# KiCad board panel.kicad_pcb (continued)
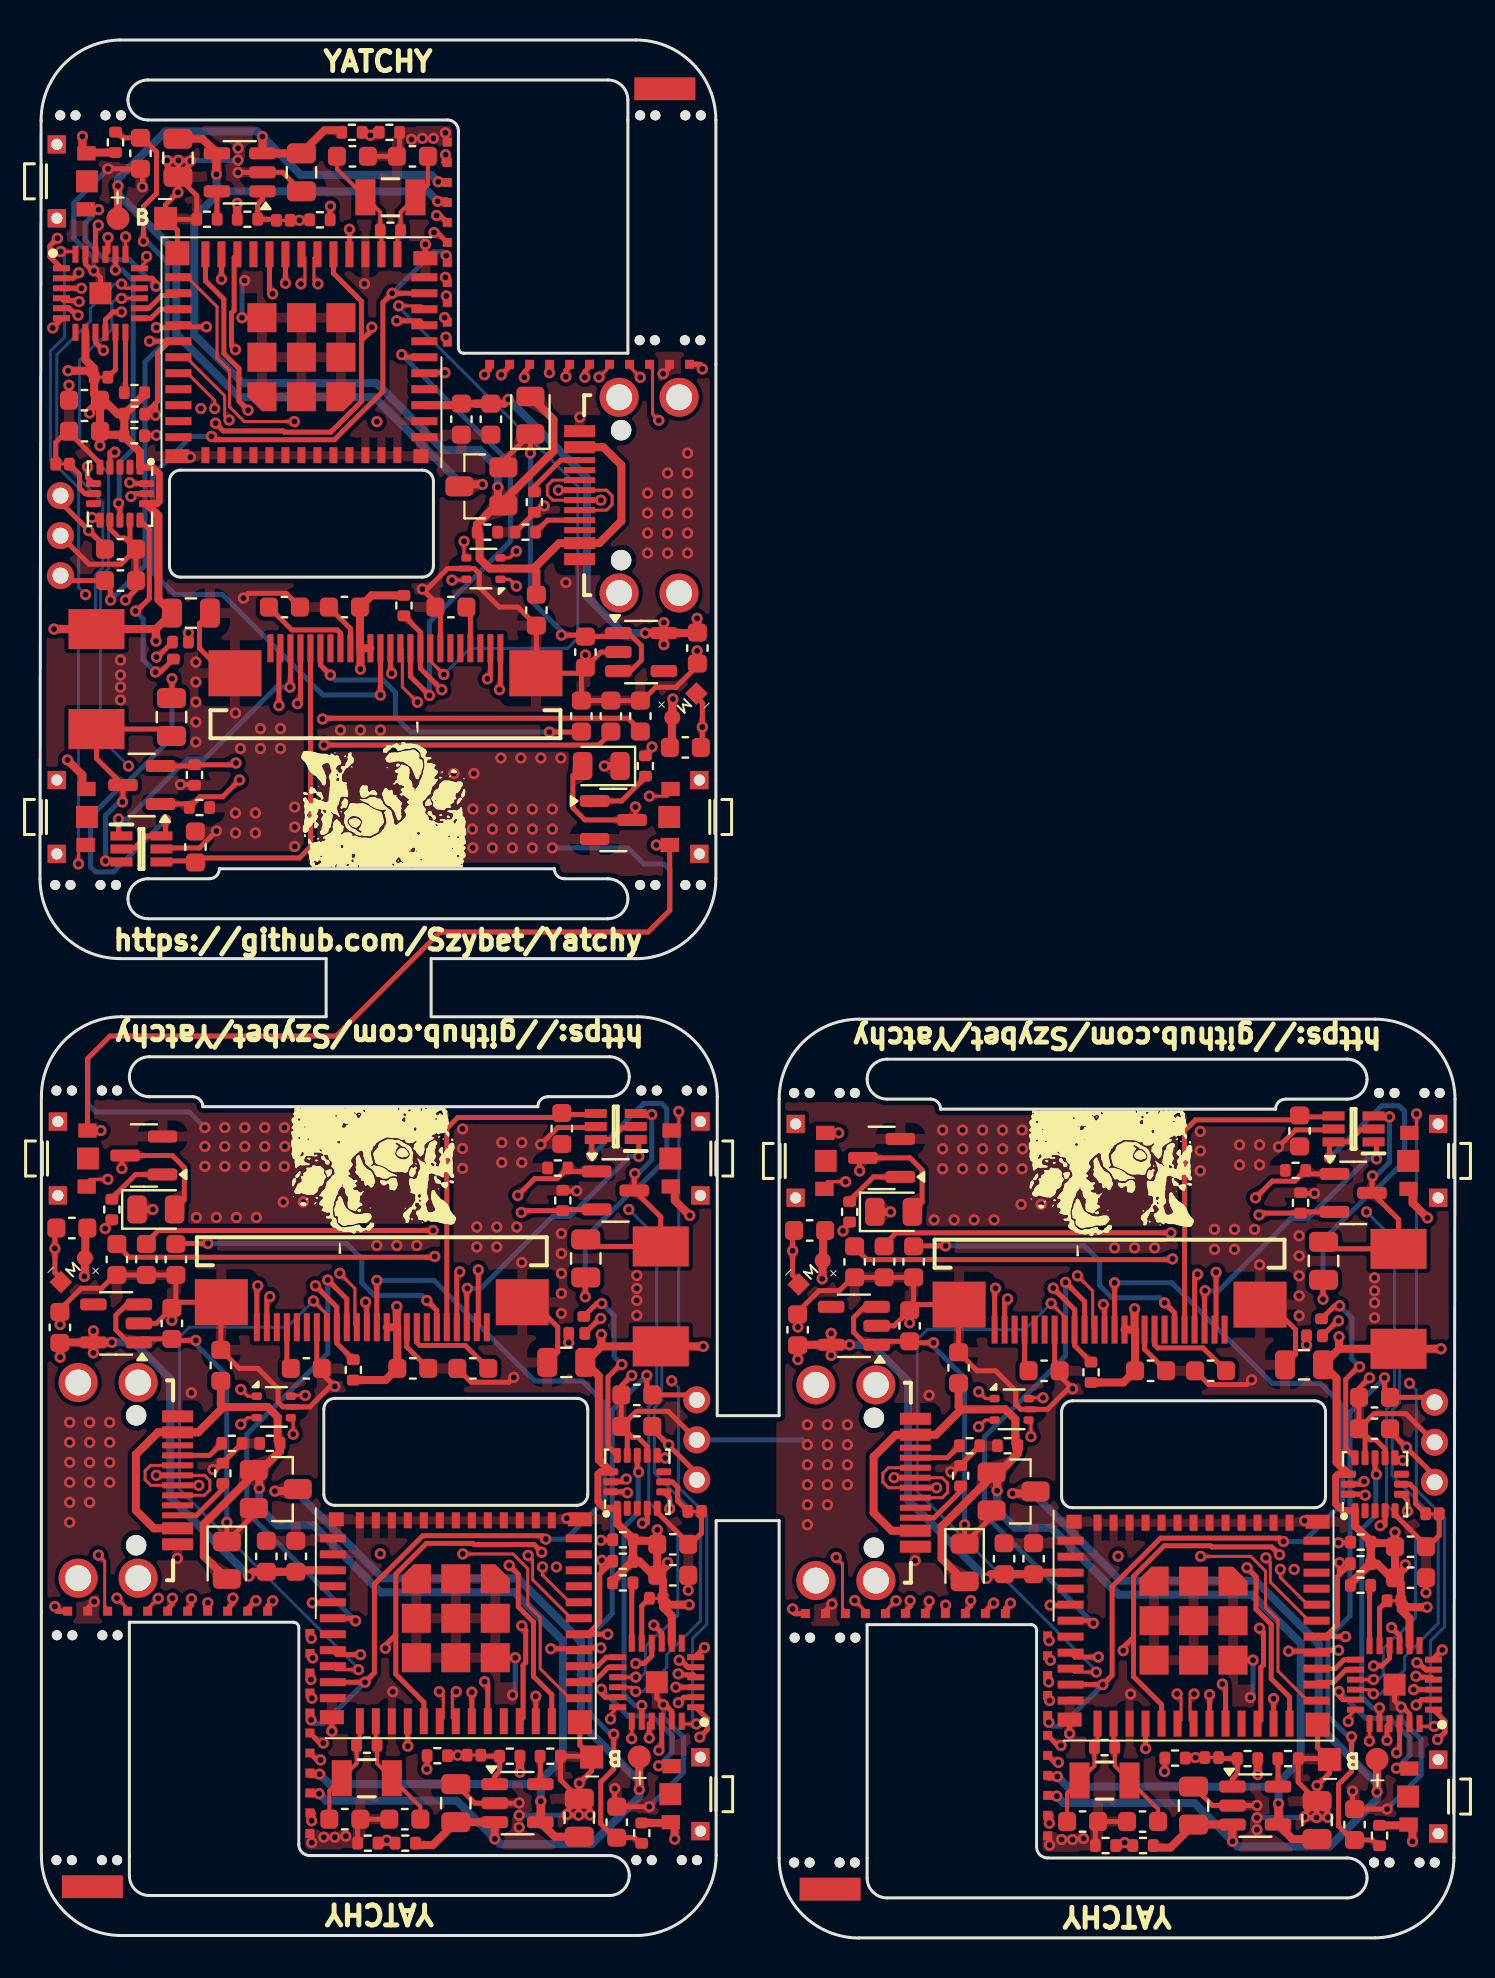
[diagram p0: board, top side]
## Library data of the parts
AC1 AC1#2 AC1#3 = -: Datasheet: http://www.st.com/content/ccc/resource/technical/document/datasheet/3c/ae/50/85/d6/b1/46/fe/CD00274221.pdf/files/CD00274221.pdf/jcr:content/translations/en.CD00274221.pdf; Description: Accelerometer 3-Axis 2g/16g 1.8V LGA16 STMicroelectronics LIS3DHTR Accelerometer IC, 3-axis, I2C, SPI 1.71  3.6 V, 16-Pin LGA; Height: 1; Manufacturer_Name: STMicroelectronics
BT1 BT1#2 BT1#3 = -: Description: Single-cell battery
C1#3 C2#2 C3#3 C4 C5#2 C6#2 C7 C8#2 C9 C10 C12#3 C13 C14#3 C18-C22 C23#3 C24#2 C25#2 C26 C29#3 C30#2 = -: ki_fp_filters: C_*
D4#3 = -: ki_fp_filters: TO-???* *_Diode_* *SingleDiode* D_*
D5 D5#2 D5#3 = -: Datasheet: https://www.diodes.com/assets/Datasheets/BAT54TW_ADW_CDW_SDW_BRW.pdf; Description: Diodes Inc BAT54TW-7-F, Triple SMT Schottky Diode, Isolated, 30V 200mA, 5ns, 6-Pin SOT-363; Height: 1.1; Manufacturer_Name: Diodes Incorporated
D6 D6#2 = -: Datasheet: http://www.vishay.com/docs/88503/1n4001.pdf
D6#3 = -: Datasheet: http://www.vishay.com/docs/88503/1n4001.pdf; ki_fp_filters: D*DO?41*
IC2 IC2#2 IC2#3 = -: Datasheet: https://ms.componentsearchengine.com/Datasheets/2/MCP23018-E_MJ.pdf; Description: MICROCHIP - MCP23018-E/MJ - I/O Expander, 16bit, 3.4 MHz, I2C, 1.8 V, 5.5 V, QFN; Height: 0.9; Manufacturer_Name: Microchip; Manufacturer_Part_Number: MCP23018-E/MJ
IC3 IC3#2 IC3#3 = -: Datasheet: https://datasheet.datasheetarchive.com/originals/distributors/Datasheets-DGA15/727147.pdf; Description: Microchip MCP73831T-2ATI/OT, Battery Charge Controller Lithium-Ion/Polymer, 500mA, 5-pin SOT-23; Height: 1.45; Manufacturer_Name: Microchip; Manufacturer_Part_Number: MCP73831T-2ATI/OT
J1 J1#3 J2#2 J2#3 J6 J6#3 J7 J7#3 J8 J8#3 J9 J9#2 J10 J10#2 J11 J11#3 J12 J12#3 J13 J13#2 J14 J14#2 J15 J15#2 J16 J16#2 J17 J17#3 J18 J18#2 J19 J19#3 J20#2 J20#3 J21 J21#3 J22#2 J22#3 J23#2 J23#3 J24 J24#3 J25 J25#3 = -: Description: Generic connector, single row, 01x01, script generated
J1#2 J2 J6#2 J7#2 J8#2 J9#3 J10#3 J11#2 J12#2 J13#3 J14#3 J15#3 J16#3 J17#2 J18#3 J19#2 J20 J21#2 J22 J23 J24#2 J25#2 = -: Description: Generic connector, single row, 01x01, script generated; ki_fp_filters: Connector*:*_1x??_*
J4 J4#2 J4#3 = -: Datasheet: https://www.gct.co/files/drawings/USB4730.pdf; Description: USB Connectors USB2.0 TypeC Recpt. Kit, w/GASKET GF, 16P Horz T.Mt. SMT, IP67; Height: 4.81; Mouser Part Number: 640-USB4730GFAKIT; Mouser Price/Stock: https://www.mouser.co.uk/ProductDetail/GCT/USB4730-GF-A-KIT?qs=Z%252BL2brAPG1IoU%252BBwnQ%2FE8Q%3D%3D; Manufacturer_Name: GCT (GLOBAL CONNECTOR TECHNOLOGY)
J5 J5#2 J5#3 = -: Datasheet: https://cdn.amphenol-cs.com/media/wysiwyg/files/drawing/10116954.pdf; Description: 24 Position FPC Connector Contacts, Top 0.020" (0.50mm) Surface Mount, Right Angle  Click Image to Enlarge Skip to the beginning of the images gallery OVERVIEW DESCRIPTION 0.50mm Flex Connector, SFV-R Series, 24 Position, Top Side Contact, Side Entry Surface Mount ZIF Connector, Halogen Free, Lead Free with Cable-Lock, Gold Flash; Height: 2; Manufacturer_Name: Amphenol
J26 = -: Description: Generic connector, single row, 01x03, script generated; ki_fp_filters: Connector*:*_1x??_*
J26#2 J26#3 = -: Description: Generic connector, single row, 01x03, script generated
JP2 JP3#3 JP4#3 = -: Description: Solder Jumper, 2-pole, closed/bridged; ki_fp_filters: SolderJumper*Bridged*
JP2#2 JP2#3 JP3 JP3#2 JP4 JP4#2 = -: Description: Solder Jumper, 2-pole, closed/bridged
L1 = -: ki_fp_filters: Choke_* *Coil* Inductor_* L_*
M1#2 = -: ki_fp_filters: PinHeader*P2.54mm* TerminalBlock*
Q1 = -: Datasheet: http://www.diodes.com/assets/Datasheets/DMN3042L.pdf; ki_fp_filters: SOT?23*
Q1#2 Q1#3 = -: Datasheet: http://www.diodes.com/assets/Datasheets/DMN3042L.pdf
Q4#2 = -: ki_fp_filters: SOT?23*
R1 R2#3 R4#2 R5#2 R6#2 R7#3 R8#2 R9 R11 R12#3 R14#3 R15 R16 R17#3 R18#3 R20#3 R21#2 = -: ki_fp_filters: R_*
SW1#3 SW2#2 SW3#2 = -: ki_fp_filters: SW_EVP-AKE31A_PAN
TP1 TP1#2 TP2 TP2#3 TP3 TP3#3 = -: Description: test point
TP1#3 TP2#2 TP3#2 = -: Description: test point; ki_fp_filters: Pin* Test*
U1 = -: Datasheet: https://www.st.com/resource/en/datasheet/usblc6-2.pdf; Description: Very low capacitance ESD protection diode, 2 data-line, SOT-666; ki_fp_filters: SOT?666*
U1#2 U1#3 = -: Datasheet: https://www.st.com/resource/en/datasheet/usblc6-2.pdf; Description: Very low capacitance ESD protection diode, 2 data-line, SOT-666
U2 U2#2 = -: Datasheet: http://www.ti.com/lit/ds/symlink/tlv755p.pdf; Description: 500mA Low Dropout Voltage Regulator, Fixed Output 3.3V, SOT-23-5; Height: 1.45; Manufacturer_Name: Microchip; Manufacturer_Part_Number: MCP73831T-2ATI/OT
U2#3 = -: Datasheet: http://www.ti.com/lit/ds/symlink/tlv755p.pdf; Description: 500mA Low Dropout Voltage Regulator, Fixed Output 3.3V, SOT-23-5; Height: 1.45; Manufacturer_Name: Microchip; Manufacturer_Part_Number: MCP73831T-2ATI/OT; ki_fp_filters: SOT?23*
U3 U3#2 U3#3 = -: PARTREV: 1.0; STANDARD: Manufacturer recommendations; MAXIMUM_PACKAGE_HEIGHT: 2.55 mm; MANUFACTURER: Espressif Systems
Y2 = -: Description: Two pin crystal; ki_fp_filters: Crystal*
Y2#2 Y2#3 = -: Description: Two pin crystal

## Footprints (pads in the part's own frame, mm; a bottom-side part is the same pattern mirrored in y, then rotated)
Battery_Header
  oval 1.15x1.15 smd: 1(-1.05,0.067)
  rect 1.15x1.15 smd: 2(1.333,0.067)
C_0603_1608Metric
  rrect 0.9x0.95 smd: 1(-0.775,0) 2(0.775,0)
C_0805_2012Metric
  rrect 1x1.45 smd: 1(-0.95,0) 2(0.95,0)
D_0805_2012Metric
  rrect 0.975x1.4 smd: 1(-0.938,0) 2(0.938,0)
HPI0530-100
  rect 2x2.8 smd: 1(2.5,0.25) 2(-2.5,0.25)
LGA-16_3x3mm_P0.5mm_LayoutBorder3x5y_handsolder
  rrect 0.75x0.35 smd: 1(-1.325,1) 2(-1.325,0.5) 3(-1.325,0) 4(-1.325,-0.5) 5(-1.325,-1) 9(1.325,-1) 10(1.325,-0.5) 11(1.325,0) 12(1.325,0.5) 13(1.325,1)
  rrect 0.35x0.75 smd: 6(-0.5,-1.325) 7(0,-1.325) 8(0.5,-1.325) 14(0.5,1.325) 15(0,1.325) 16(-0.5,1.325)
mod_Connector
  rect 0.45x0.45 smd: 1(0,-0.01)
Motor_Header
  oval 0.8x0.8 smd: 1(0,0)
  rect 0.8x0.8 smd: 2(0,-1.7)
mouse-bite-3mm-slot
  round 0.5 hole 0.5 unplated: (-1.512,0) (-0.75,0) (0.75,0) (1.524,0)
PinHeader_1x03_P2.00mm_Horizontal_Small
  round 1.35 hole 0.8: 1(0,0)
  oval 1.35x1.35 hole 0.8: 2(0,-2) 3(0,-4)
QFN50P400X400X90-25N-D
  rect 0.85x0.3 smd: 1(-1.95,1.25) 2(-1.95,0.75) 3(-1.95,0.25) 4(-1.95,-0.25) 5(-1.95,-0.75) 6(-1.95,-1.25) 13(1.95,-1.25) 14(1.95,-0.75) 15(1.95,-0.25) 16(1.95,0.25) 17(1.95,0.75) 18(1.95,1.25)
  rect 0.3x0.85 smd: 7(-1.25,-1.95) 8(-0.75,-1.95) 9(-0.25,-1.95) 10(0.25,-1.95) 11(0.75,-1.95) 12(1.25,-1.95) 19(1.25,1.95) 20(0.75,1.95) 21(0.25,1.95) 22(-0.25,1.95) 23(-0.75,1.95) 24(-1.25,1.95)
  rect 1.1x1.1 smd: 25(0,0)
R_0402_1005Metric
  rrect 0.54x0.64 smd: 1(-0.51,0) 2(0.51,0)
SFV24R4STBE1HLF
  rect 0.3x1.4 smd: 1(-5.75,2.25) 2(-5.25,2.25) 3(-4.75,2.25) 4(-4.25,2.25) 5(-3.75,2.25) 6(-3.25,2.25) 7(-2.75,2.25) 8(-2.25,2.25) 9(-1.75,2.25) 10(-1.25,2.25) 11(-0.75,2.25) 12(-0.25,2.25) 13(0.25,2.25) 14(0.75,2.25) 15(1.25,2.25) 16(1.75,2.25) 17(2.25,2.25) 18(2.75,2.25) 19(3.25,2.25) 20(3.75,2.25) 21(4.25,2.25) 22(4.75,2.25) 23(5.25,2.25) 24(5.75,2.25)
  rect 2.65x2.3 smd: MP1(-7.525,1) MP2(7.525,1)
SolderJumper_Bridged_Small
  rrect 0.54x0.64 smd: 1(-0.535,0) 2(0.15,0)
SOT65P222X110-6N
  rect 1.1x0.45 smd: 1(-1,0.65) 2(-1,0) 3(-1,-0.65) 4(1,-0.65) 5(1,0) 6(1,0.65)
SOT-23
  rrect 1.475x0.6 smd: 1(-0.938,0.95) 2(-0.938,-0.95) 3(0.938,0)
SOT-23-5
  rrect 1.325x0.6 smd: 1(-1.137,0.95) 2(-1.137,0) 3(-1.137,-0.95) 4(1.137,-0.95) 5(1.137,0.95)
SOT-666
  rrect 0.5x0.375 smd: 1(-0.85,0.537) 3(-0.85,-0.537) 4(0.85,-0.537) 6(0.85,0.537)
  rrect 0.65x0.3 smd: 2(-0.925,0) 5(0.925,0)
SuperSOT-3
  rrect 1.4x1 smd: 1(-1.1,0.95) 2(-1.1,-0.95) 3(1.1,0)
SW_EVP-AKE31A_PAN
  rect 0.711x0.918 smd: 1(-1.4,-1.059) 2(1.4,-1.1)
  rect 0.914x0.914 hole 0.559: 3(-1.848,0.381) 4(1.848,0.381)
  rect 1.1x1.092 smd: 5(0,-1.124)
testpoint
  rrect 0.54x0.64 smd: 1(0,0)
USB4730GFAKIT
  round 1.02 hole 1.02 unplated: (-3.25,1.963) (3.25,1.963)
  rect 0.6x1.55 smd: A1(-3.2,4.037) A4(-2.4,4.037) A9(2.4,4.037) A12(3.2,4.037)
  rect 0.3x1.55 smd: A5(-1.25,4.037) A6(-0.25,4.037) A7(0.25,4.037) A8(1.25,4.037) B5(1.75,4.037) B6(0.75,4.037) B7(-0.75,4.037) B8(-1.75,4.037)
  round 1.95 hole 1.3: MH1(-4.895,2.063) MH2(-4.895,-0.937) MH3(4.895,-0.937) MH4(4.895,2.063)
XCVR_ESP32-C6-MINI-1-N4
  rect 1.3x0.4 smd: 1(-6.15,4) 2(-6.15,3.2) 3(-6.15,2.4) 4(-6.15,1.6) 5(-6.15,0.8) 6(-6.15,0) 7(-6.15,-0.8) 8(-6.15,-1.6) 9(-6.15,-2.4) 10(-6.15,-3.2) 11(-6.15,-4) 25(6.15,-4) 26(6.15,-3.2) 27(6.15,-2.4) 28(6.15,-1.6) 29(6.15,-0.8) 30(6.15,0) 31(6.15,0.8) 32(6.15,1.6) 33(6.15,2.4) 34(6.15,3.2) 35(6.15,4)
  rect 0.4x1.3 smd: 12(-4.8,-5.15) 13(-4,-5.15) 14(-3.2,-5.15) 15(-2.4,-5.15) 16(-1.6,-5.15) 17(-0.8,-5.15) 18(0,-5.15) 19(0.8,-5.15) 20(1.6,-5.15) 21(2.4,-5.15) 22(3.2,-5.15) 23(4,-5.15) 24(4.8,-5.15)
  rect 0.4x0.8 smd: 36(4.8,4.9) 37(4,4.9) 38(3.2,4.9) 39(2.4,4.9) 40(1.6,4.9) 41(0.8,4.9) 42(0,4.9) 43(-0.8,4.9) 44(-1.6,4.9) 45(-2.4,4.9) 46(-3.2,4.9) 47(-4,4.9) 48(-4.8,4.9)
  custom 1.46x1.46 smd: 49_1(-1.975,1.975)
  rect 1.45x1.45 smd: 49_2(0,1.975) 49_4(-1.975,0) 49_5(0,0) 49_6(1.975,0) 49_7(-1.975,-1.975) 49_8(0,-1.975) 49_9(1.975,-1.975)
  rrect 1.45x1.45 smd: 49_3(1.975,1.975)
  rect 1.2x0.7 smd: 50(6.2,4.95) 52(-6.2,-4.95)
  rect 1.207x1.201 smd: 51(6.203,-5.2)
  rect 0.75x0.7 smd: 53(-5.975,4.95)
XTAL_9HT10_TXC
  rect 1.003x1.803 smd: 1(-1.251,0) 2(1.251,0)

## Nets
+3V3: AC1.1 AC1.14 AC1#2.1 AC1#2.14 AC1#3.1 AC1#3.14 C4.1 C4#2.1 C4#3.1 C7.2 C7#2.2 C7#3.2 C12.1 C12#2.1 C12#3.1 C14.1 C14#2.1 C14#3.1 C23.1 C23#2.1 C23#3.1 C24.1 C24#2.1 C24#3.1 C29.2 C29#2.2 C29#3.2 C30.2 C30#2.2 C30#3.2 D6.1 D6#2.1 D6#3.1 IC2.8 IC2#2.8 IC2#3.8 J5.10 J5.11 J5#2.10 J5#2.11 J5#3.10 J5#3.11 J7.1 J7#2.1 J7#3.1 JP3.2 JP3#2.2 JP3#3.2 L1.2 L1#2.2 L1#3.2 M1.1 M1#2.1 M1#3.1 R1.1 R1#2.1 R1#3.1 R2.1 R2#2.1 R2#3.1 R7.1 R7#2.1 R7#3.1 R12.1 R12#2.1 R12#3.1 R16.1 R16#2.1 R16#3.1 R20.1 R20#2.1 R20#3.1 SW1.2 SW1#2.2 SW1#3.2 SW2.2 SW2#2.2 SW2#3.2 SW3.2 SW3#2.2 SW3#3.2 U2.5 U2#2.5 U2#3.5 U3.3 U3#2.3 U3#3.3
GND: AC1.5 AC1.10 AC1.12 AC1#2.5 AC1#2.10 AC1#2.12 AC1#3.5 AC1#3.10 AC1#3.12 BT1.2 BT1#2.2 BT1#3.2 C1.2 C1#2.2 C1#3.2 C2.2 C2#2.2 C2#3.2 C4.2 C4#2.2 C4#3.2 C5.2 C5#2.2 C5#3.2 C6.2 C6#2.2 C6#3.2 C7.1 C7#2.1 C7#3.1 C8.2 C8#2.2 C8#3.2 C9.2 C9#2.2 C9#3.2 C10.2 C10#2.2 C10#3.2 C12.2 C12#2.2 C12#3.2 C13.2 C13#2.2 C13#3.2 C18.1 C18#2.1 C18#3.1 C19.2 C19#2.2 C19#3.2 C20.2 C20#2.2 C20#3.2 C21.2 C21#2.2 C21#3.2 C22.2 C22#2.2 C22#3.2 C23.2 C23#2.2 C23#3.2 C24.2 C24#2.2 C24#3.2 C25.2 C25#2.2 C25#3.2 C26.1 C26#2.1 C26#3.1 C29.1 C29#2.1 C29#3.1 C30.1 C30#2.1 C30#3.1 D5.5 D5#2.5 D5#3.5 IC2.23 IC2.25 IC2#2.23 IC2#2.25 IC2#3.23 IC2#3.25 IC3.2 IC3#2.2 IC3#3.2 J1.1 J1#2.1 J1#3.1 J2.1 J2#2.1 J2#3.1 J4.A1 J4.A12 J4#2.A1 J4#2.A12 J4#3.A1 J4#3.A12 J5.9 J5.18 J5.MP1 J5.MP2 J5#2.9 J5#2.18 J5#2.MP1 J5#2.MP2 J5#3.9 J5#3.18 J5#3.MP1 J5#3.MP2 J26.2 J26#2.2 J26#3.2 JP4.2 JP4#2.2 JP4#3.2 Q5.2 Q5#2.2 Q5#3.2 R4.2 R4#2.2 R4#3.2 R5.2 R5#2.2 R5#3.2 R8.2 R8#2.2 R8#3.2 R9.1 R9#2.1 R9#3.1 R14.2 R14#2.2 R14#3.2 R15.1 R15#2.1 R15#3.1 R18.2 R18#2.2 R18#3.2 U1.5 U1#2.5 U1#3.5 U2.2 U2#2.2 U2#3.2 U3.1 U3.2 U3.11 U3.14 U3.36 U3.37 U3.38 U3.39 U3.40 U3.41 U3.42 U3.43 U3.44 U3.45 U3.46 U3.47 U3.48 U3.49_1 U3.49_2 U3.49_3 U3.49_4 U3.49_5 U3.49_6 U3.49_7 U3.49_8 U3.49_9 U3.50 U3.51 U3.52 U3.53 U3#2.1 U3#2.2 U3#2.11 U3#2.14 U3#2.36 U3#2.37 U3#2.38 U3#2.39 U3#2.40 U3#2.41 U3#2.42 U3#2.43 U3#2.44 U3#2.45 U3#2.46 U3#2.47 U3#2.48 U3#2.49_1 U3#2.49_2 U3#2.49_3 U3#2.49_4 U3#2.49_5 U3#2.49_6 U3#2.49_7 U3#2.49_8 U3#2.49_9 U3#2.50 U3#2.51 U3#2.52 U3#2.53 U3#3.1 U3#3.2 U3#3.11 U3#3.14 U3#3.36 U3#3.37 U3#3.38 U3#3.39 U3#3.40 U3#3.41 U3#3.42 U3#3.43 U3#3.44 U3#3.45 U3#3.46 U3#3.47 U3#3.48 U3#3.49_1 U3#3.49_2 U3#3.49_3 U3#3.49_4 U3#3.49_5 U3#3.49_6 U3#3.49_7 U3#3.49_8 U3#3.49_9 U3#3.50 U3#3.51 U3#3.52 U3#3.53
VBUS: C21.1 C21#2.1 C21#3.1 C25.1 C25#2.1 C25#3.1 D4.2 D4#2.2 D4#3.2 IC3.4 IC3#2.4 IC3#3.4 J4.A4 J4.A9 J4#2.A4 J4#2.A9 J4#3.A4 J4#3.A9 J8.1 J8#2.1 J8#3.1 Q4.1 Q4#2.1 Q4#3.1 R14.1 R14#2.1 R14#3.1 U1.2 U1#2.2 U1#3.2
+BATT: BT1.1 BT1#2.1 BT1#3.1 C26.2 C26#2.2 C26#3.2 IC3.3 IC3#2.3 IC3#3.3 J6.1 J6#2.1 J6#3.1 Q4.3 Q4#2.3 Q4#3.3 R11.1 R11#2.1 R11#3.1
ACC_INT_1: AC1.11 AC1#2.11 AC1#3.11 IC2.20 IC2#2.20 IC2#3.20
ACC_INT_2: AC1.9 AC1#2.9 AC1#3.9 IC2.19 IC2#2.19 IC2#3.19
ADC: R11.2 R11#2.2 R11#3.2 R18.1 R18#2.1 R18#3.1 U3.15 U3#2.15 U3#3.15
BTN_1: IC2.15 IC2#2.15 IC2#3.15 SW1.1 SW1#2.1 SW1#3.1
BTN_2: IC2.16 IC2#2.16 IC2#3.16 SW2.1 SW2#2.1 SW2#3.1
BTN_3: IC2.17 IC2#2.17 IC2#3.17 SW3.1 SW3#2.1 SW3#3.1
BTN_4: IC2.18 IC2#2.18 IC2#3.18 J25.1 J25#2.1 J25#3.1
BUSY: J5.17 J5#2.17 J5#3.17 U3.9 U3#2.9 U3#3.9
CLOCK_N: C19.1 C19#2.1 C19#3.1 R21.1 R21#2.1 R21#3.1 U3.13 U3#2.13 U3#3.13 Y2.1 Y2#2.1 Y2#3.1
CLOCK_P: C20.1 C20#2.1 C20#3.1 R21.2 R21#2.2 R21#3.2 U3.12 U3#2.12 U3#3.12 Y2.2 Y2#2.2 Y2#3.2
CS: IC2.24 IC2#2.24 IC2#3.24 J5.14 J5#2.14 J5#3.14
DC: J5.15 J5#2.15 J5#3.15 U3.6 U3#2.6 U3#3.6
DN: U1.4 U1#2.4 U1#3.4 U3.17 U3#2.17 U3#3.17
DP: U1.6 U1#2.6 U1#3.6 U3.18 U3#2.18 U3#3.18
EN: C13.1 C13#2.1 C13#3.1 C18.2 C18#2.2 C18#3.2 J26.1 J26#2.1 J26#3.1 R7.2 R7#2.2 R7#3.2 U3.8 U3#2.8 U3#3.8
GDR: J5.24 J5#2.24 J5#3.24 Q1.1 Q1#2.1 Q1#3.1 R8.1 R8#2.1 R8#3.1
GPIO9: C1.1 C1#2.1 C1#3.1 J26.3 J26#2.3 J26#3.3 U3.23 U3#2.23 U3#3.23
INT_A: IC2.14 IC2#2.14 IC2#3.14 U3.26 U3#2.26 U3#3.26
INT_B: IC2.13 IC2#2.13 IC2#3.13 U3.27 U3#2.27 U3#3.27
MOD_CS: IC2.1 IC2#2.1 IC2#3.1 J11.1 J11#2.1 J11#3.1
MOD_ExB2: IC2.2 IC2#2.2 IC2#3.2 J20.1 J20#2.1 J20#3.1
MOD_ExB3: IC2.3 IC2#2.3 IC2#3.3 J21.1 J21#2.1 J21#3.1
MOD_ExB4: IC2.4 IC2#2.4 IC2#3.4 J22.1 J22#2.1 J22#3.1
MOD_ExB5: IC2.5 IC2#2.5 IC2#3.5 J23.1 J23#2.1 J23#3.1
MOD_ExB6: IC2.6 IC2#2.6 IC2#3.6 J24.1 J24#2.1 J24#3.1
MOD_IO15: J17.1 J17#2.1 J17#3.1 U3.20 U3#2.20 U3#3.20
MOD_IO18: J16.1 J16#2.1 J16#3.1 U3.24 U3#2.24 U3#3.24
MOD_IO19: J15.1 J15#2.1 J15#3.1 U3.25 U3#2.25 U3#3.25
MOD_MISO: J14.1 J14#2.1 J14#3.1 U3.22 U3#2.22 U3#3.22
MOD_RX: J18.1 J18#2.1 J18#3.1 U3.30 U3#2.30 U3#3.30
MOD_TX: J19.1 J19#2.1 J19#3.1 U3.31 U3#2.31 U3#3.31
MOSI: J5.12 J5#2.12 J5#3.12 J13.1 J13#2.1 J13#3.1 U3.10 U3#2.10 U3#3.10
PREVGH: C5.1 C5#2.1 C5#3.1 D5.4 D5#2.4 D5#3.4 J5.5 J5#2.5 J5#3.5
PREVGL: D5.1 D5#2.1 D5#3.1 J5.3 J5#2.3 J5#3.3
RES: J5.16 J5#2.16 J5#3.16 R20.2 R20#2.2 R20#3.2 U3.5 U3#2.5 U3#3.5
RESE: J5.23 J5#2.23 J5#3.23 Q1.2 Q1#2.2 Q1#3.2 R9.2 R9#2.2 R9#3.2
SCK: J5.13 J5#2.13 J5#3.13 J12.1 J12#2.1 J12#3.1 U3.16 U3#2.16 U3#3.16
SCL: AC1.4 AC1#2.4 AC1#3.4 IC2.9 IC2#2.9 IC2#3.9 J9.1 J9#2.1 J9#3.1 R1.2 R1#2.2 R1#3.2 U3.29 U3#2.29 U3#3.29
SDA: AC1.6 AC1#2.6 AC1#3.6 IC2.10 IC2#2.10 IC2#3.10 J10.1 J10#2.1 J10#3.1 R2.2 R2#2.2 R2#3.2 U3.28 U3#2.28 U3#3.28
STAT_IN: IC2.21 IC2#2.21 IC2#3.21 JP2.2 JP2#2.2 JP2#3.2 R6.1 R6#2.1 R6#3.1
STAT_OUT: IC2.22 IC2#2.22 IC2#3.22 R6.2 R6#2.2 R6#3.2
UP_ DN: J4.A7 J4.B7 J4#2.A7 J4#2.B7 J4#3.A7 J4#3.B7 U1.3 U1#2.3 U1#3.3
UP_ DP: J4.A6 J4.B6 J4#2.A6 J4#2.B6 J4#3.A6 J4#3.B6 U1.1 U1#2.1 U1#3.1
VIB_PWM: R17.2 R17#2.2 R17#3.2 U3.19 U3#2.19 U3#3.19
Net-(AC1-ADC1): AC1.16 AC1#2.16 AC1#3.16 TP1.1 TP1#2.1 TP1#3.1
Net-(AC1-ADC2): AC1.15 AC1#2.15 AC1#3.15 TP2.1 TP2#2.1 TP2#3.1
Net-(AC1-ADC3): AC1.13 AC1#2.13 AC1#3.13 TP3.1 TP3#2.1 TP3#3.1
Net-(AC1-SDO/SA0): AC1.7 AC1#2.7 AC1#3.7 JP4.1 JP4#2.1 JP4#3.1
Net-(C2-Pad1): C2.1 C2#2.1 C2#3.1 J5.21 J5#2.21 J5#3.21
Net-(C6-Pad1): C6.1 C6#2.1 C6#3.1 J5.8 J5#2.8 J5#3.8
Net-(C8-Pad1): C8.1 C8#2.1 C8#3.1 J5.6 J5#2.6 J5#3.6
Net-(C9-Pad1): C9.1 C9#2.1 C9#3.1 J5.4 J5#2.4 J5#3.4
Net-(C10-Pad1): C10.1 C10#2.1 C10#3.1 J5.2 J5#2.2 J5#3.2
Net-(D4-K): C22.1 C22#2.1 C22#3.1 D4.1 D4#2.1 D4#3.1 Q4.2 Q4#2.2 Q4#3.2 U2.1 U2.3 U2#2.1 U2#2.3 U2#3.1 U2#3.3
Net-(D5-A2): C3.1 C3#2.1 C3#3.1 D5.2 D5.6 D5#2.2 D5#2.6 D5#3.2 D5#3.6
Net-(D5-A3): C3.2 C3#2.2 C3#3.2 D5.3 D5#2.3 D5#3.3 L1.1 L1#2.1 L1#3.1 Q1.3 Q1#2.3 Q1#3.3
Net-(D6-A): C14.2 C14#2.2 C14#3.2 D6.2 D6#2.2 D6#3.2 M1.2 M1#2.2 M1#3.2 Q5.3 Q5#2.3 Q5#3.3
Net-(IC2-ADDR): IC2.11 IC2#2.11 IC2#3.11 JP3.1 JP3#2.1 JP3#3.1
Net-(IC2-~{RESET}): IC2.12 IC2#2.12 IC2#3.12 R12.2 R12#2.2 R12#3.2
Net-(IC3-PROG): IC3.5 IC3#2.5 IC3#3.5 R15.2 R15#2.2 R15#3.2
Net-(IC3-STAT): IC3.1 IC3#2.1 IC3#3.1 JP2.1 JP2#2.1 JP2#3.1 R16.2 R16#2.2 R16#3.2
Net-(J4-CC1): J4.A5 J4#2.A5 J4#3.A5 R5.1 R5#2.1 R5#3.1
Net-(J4-CC2): J4.B5 J4#2.B5 J4#3.B5 R4.1 R4#2.1 R4#3.1
Net-(Q5-B): Q5.1 Q5#2.1 Q5#3.1 R17.1 R17#2.1 R17#3.1

Pads without a net: AC1 2 3 8; AC1#2 2 3 8; AC1#3 2 3 8; IC2 7; IC2#2 7; IC2#3 7; J4 A8 B8 MH1 MH2 MH3 MH4; J4#2 A8 B8 MH1 MH2 MH3 MH4; J4#3 A8 B8 MH1 MH2 MH3 MH4; J5 1 7 19 20 22; J5#2 1 7 19 20 22; J5#3 1 7 19 20 22; SW1 3 4 5; SW1#2 3 4 5; SW1#3 3 4 5; SW2 3 4 5; SW2#2 3 4 5; SW2#3 3 4 5; SW3 3 4 5; SW3#2 3 4 5; SW3#3 3 4 5; U2 4; U2#2 4; U2#3 4; U3 4 7 21 32 33 34 35; U3#2 4 7 21 32 33 34 35; U3#3 4 7 21 32 33 34 35

## Via types
v1: diameter 0.56, hole 0.3, Top to Bottom, 693 vias

## Routing (per net, layer and track width the routed paths; a pad name or vN(x,y) marks a point on that pad's centre or on a via; arc(x,y) is an arc through that point)
+3V3: length 392.4
  Top w0.25: SW1#2.2 2.38,43.99 3.51,45.12 14.81,45.12 20.01,50.32 30.41,50.32 31.49,51.41 SW1#3.2
  Top w0.35: AC1.14 64.92,23.2 64.8,23.09 64.8,21.72 65.14,21.38 AC1.1 ; AC1#3.1 28.24,21.5 27.9,21.84 27.9,23.21 28.02,23.32 AC1#3.14 ; AC1#2.14 5.85,71.75 5.96,71.87 5.96,73.24 5.62,73.58 AC1#2.1
  Top w0.4: v1(69.39,36.03) 68.64,36.77 68.64,37.48 ; C29#2.2 31.38,18.66 v1(31.38,18.79) ; C29#2.2 30.67,18.15 29.97,18.85 R1#3.1 ; C29#2.2 31.16,17.86 JP3.2 ; C29#2.2 30.87,19.6 ; IC2#2.8 2.27,78.95 2.71,78.52 JP3#3.2 ; U3.3 49.77,18.28 C24.1 48.94,18.2 ; 2.27,35.55 2.27,34.22 2.25,34.2 2.25,33.12 v1(2.22,33.1) ; C29#3.2 2.48,76.41 v1(2.48,76.29) ; C29#3.2 2.71,77.22 JP3#3.2 ; C29#3.2 3,75.48 ; C29#3.2 3.19,76.93 3.89,76.23 R1.1 ; v1(10.44,18.11) 10.66,18.32 12.04,18.32 ; U2.5 v1(3.59,29.8) ; U2.5 1.19,29.8 1.01,29.98 v1(1.01,29.06) ; U2.5 v1(2.67,29.27) ; U2.5 v1(2.67,30.37) ; JP3.2 31.48,16.67 v1(32.47,16.67) ; JP3.2 31.16,16.56 31.59,16.12 IC2.8 ; R20#2.1 17.28,27.91 C7#2.2 17.87,30.53 J5#2.10 ; 29.65,19.88 29.65,19.95 28.87,20.74 AC1#3.1 ; 29.65,19.88 R1#3.1 ; 29.65,19.88 30.59,19.88 30.87,19.6 ; 20.27,88.83 20.28,88.84 v1(20.28,89.21) ; J5#2.10 v1(17.84,31.6) ; J5#2.10 J5#2.11 ; 4.21,75.2 4.21,75.12 5,74.34 AC1#2.1 ; 4.21,75.2 3.28,75.2 3,75.48 ; 4.21,75.2 R1.1 ; v1(23.42,76.97) 23.21,76.75 21.82,76.75 ; C4#3.1 27.27,29.12 ; C4#3.1 28.07,29.6 ; C4#3.1 27.95,28.12 27.95,23.92 AC1#3.14 ; C4#2.1 64.97,29.48 ; C4#2.1 64.17,29 ; C4#2.1 64.84,28 64.84,23.8 AC1.14 ; 64.97,29.48 L1#3.2 v1(70.07,29.48) ; 64.97,29.48 v1(64.97,30.08) ; v1(60.9,8.18) R16#3.1 ; 31.69,54.68 v1(30.83,54.68) ; 30.02,5.76 31.71,5.76 31.75,5.8 31.75,4.95 v1(31.74,4.95) ; R1#2.1 66.53,18.73 65.53,17.73 ; R1#2.1 66.55,19.76 ; R1#2.1 66.87,18.73 67.57,18.03 C29.2 ; D6#3.1 v1(28.22,58.63) ; 3,75.48 v1(3,74.65) ; v1(1.4,78.4) 2.39,78.4 JP3#3.2 ; 28.07,29.6 L1#2.2 v1(33.17,29.6) ; 28.07,29.6 v1(28.07,30.2) ; 12.04,18.32 C24#3.1 12.87,18.4 U3#2.3 ; 12.04,18.32 C23#2.1 ; 67.77,19.48 C29.2 ; 67.77,19.48 67.49,19.76 66.55,19.76 ; 67.77,19.48 v1(67.77,20.3) ; C29.2 68.06,17.74 JP3#2.2 ; C29.2 68.28,18.54 v1(68.28,18.67) ; v1(39.94,40.28) 39.94,40.28 39.07,40.28 ; v1(37.9,28.94) 37.9,29.86 38.09,29.68 U2#2.5 ; R1#3.1 29.63,18.85 28.63,17.85 ; 5.8,65.48 L1.2 v1(0.7,65.48) ; 5.8,65.48 v1(5.8,64.88) ; 5.8,65.48 C4.1 ; D6#2.1 v1(5.64,36.45) ; R20#3.1 16.58,67.16 C7.2 16,64.54 J5#3.10 ; J5.10 54.77,30.41 C7#3.2 54.18,27.79 R20.1 ; J5.10 J5.11 ; J5.10 v1(54.74,31.48) ; 21.82,76.75 C24#2.1 21,76.68 U3#3.3 ; 21.82,76.75 C23#3.1 ; R1.1 4.23,76.23 5.23,77.23 ; v1(13.58,5.87) 13.58,6.24 13.59,6.25 ; JP3#2.2 68.06,16.44 68.49,16 IC2#3.8 ; JP3#2.2 68.38,16.55 v1(69.37,16.55) ; C4.1 5.92,66.96 5.92,71.16 AC1#2.14 ; C4.1 6.6,65.95 ; 3.85,89.32 2.16,89.32 2.12,89.28 2.12,90.13 v1(2.12,90.13) ; J5#3.10 v1(16.02,63.48) ; J5#3.10 J5#3.11 ; 66.55,19.76 66.55,19.83 65.77,20.62 AC1.1 ; D6.1 v1(42.54,36.33) ; v1(9.86,86.78) R16.1 ; v1(32.49,36.15) 31.75,36.89 31.75,37.6 ; U2#3.5 v1(30.27,65.28) ; U2#3.5 v1(31.2,65.8) ; U2#3.5 32.67,65.28 32.86,65.09 v1(32.86,66.02) ; U2#3.5 v1(31.2,64.7) ; v1(47.34,17.99) 47.56,18.2 48.94,18.2 ; v1(24,8.3) R16#2.1 ; v1(50.48,5.75) 50.48,6.12 50.49,6.13 ; 31.6,59.53 31.6,60.85 31.62,60.88 31.62,61.95 v1(31.65,61.98) ; U2#2.5 v1(40.49,29.68) ; U2#2.5 v1(39.57,29.15) ; U2#2.5 v1(39.57,30.25) ; 48.94,18.2 C23.1 ; v1(68.64,4.83) 68.64,4.83 68.64,5.68 68.6,5.64 66.92,5.64 ; 2.18,40.4 v1(3.04,40.4) ; 30.87,19.6 v1(30.87,20.42) ; 39.17,35.43 39.17,34.1 39.14,34.08 39.14,33 v1(39.12,32.98) ; 2.12,57.48 2.12,58.18 v1(1.37,58.93)
  In1.Cu w0.25: v1(32.47,16.67) 33.11,17.31 33.11,21.22 35.11,23.22 35.71,23.22 37.39,24.91 37.39,28.51 37.82,28.94 v1(37.9,28.94)
  In1.Cu w0.4: v1(13.58,5.87) 15.22,7.5 15.22,10.74 14.87,11.09 14.87,16.5 13.27,18.11 v1(10.44,18.11) ; v1(31.74,4.95) 32.19,5.39 32.19,11.13 32.62,11.55 32.62,16.53 v1(32.47,16.67) ; v1(1.4,78.4) 1.25,78.55 1.25,83.53 1.68,83.95 1.68,89.68 v1(2.12,90.13) ; v1(33.17,29.6) 32.49,30.27 v1(32.49,36.15) ; v1(0.7,65.48) 1.37,64.8 v1(1.37,58.93) ; v1(50.48,5.75) 52.12,7.38 52.12,10.62 51.77,10.97 51.77,16.38 50.17,17.99 v1(47.34,17.99) ; v1(23.42,76.97) 20.6,76.97 19,78.57 19,83.99 18.65,84.33 18.65,87.57 v1(20.28,89.21) ; v1(70.07,29.48) 69.39,30.15 v1(69.39,36.03) ; v1(68.64,4.83) 69.09,5.27 69.09,11.01 69.51,11.43 69.51,16.41 v1(69.37,16.55)
  In2.Cu w0.4: v1(28.22,58.63) 28.3,58.63 v1(31.65,61.98) ; v1(39.12,32.98) 42.47,36.33 v1(42.54,36.33) ; v1(5.64,36.45) 5.57,36.45 v1(2.22,33.1)
  Bottom w0.4: v1(23.42,76.97) 27.35,73.04 27.35,67.1 29.18,65.28 v1(30.27,65.28) ; v1(47.34,17.99) 43.41,21.92 43.41,27.85 41.59,29.68 v1(40.49,29.68) ; v1(10.44,18.11) 6.51,22.04 6.51,27.97 4.69,29.8 v1(3.59,29.8)
GND: length 515.4
  Top w0.25: C19.2 C20.2 17.98,89.26 17.98,90.43 ; v1(6.92,88.93) 6.92,88.13 C25#2.2 ; v1(6.92,88.93) 7.49,88.93 v1(7.52,88.9) 7.52,88.73 C25#2.2 ; v1(6.92,88.93) 6.91,88.92 v1(6.35,88.92) 6.35,88.65 C25#2.2 ; U3#3.49_9 v1(10.1,81.05) ; C7.1 15.52,65.5 J5#3.9 ; IC2#2.23 2.27,83.74 2.61,83.4 v1(2.69,83.4) 3.02,83.07 IC2#2.25 ; U3#2.51 27,9.64 BT1#2.2 ; C25.2 63.84,6.83 v1(63.84,6.03) ; C25.2 64.41,6.31 v1(64.41,6.04) 63.85,6.04 v1(63.84,6.03) ; C25.2 63.24,6.23 v1(63.24,6.06) 63.27,6.03 v1(63.84,6.03) ; C25.2 62.93,7.79 R15#3.1 64.44,8.98 BT1#3.2 ; C25.2 v1(63.87,7.63) 64.48,8.24 BT1#3.2 ; C6.2 21.56,27.81 23.45,27.81 v1(23.69,28.05) ; C25#2.2 7.84,87.16 R15.1 6.32,85.98 BT1.2 ; C25#2.2 v1(6.9,87.33) 6.28,86.71 BT1.2 ; v1(8.82,55.38) 7.97,54.53 5.92,54.53 ; v1(37.9,30.57) 37.9,31.33 38.96,32.39 39.98,32.39 40.64,33.05 43.64,33.05 43.49,32.9 ; AC1#2.12 4.5,69.78 C1#3.2 ; U3#3.51 6.87,85.43 BT1.2 ; R4#2.2 24.72,71.29 R5#2.2 25.07,71.64 v1(25.21,71.64) ; 4.79,69.48 4.24,70.03 3.96,70.03 3.49,70.5 3.49,70.93 ; v1(39.61,16.71) 39.28,16.38 J2#3.1 ; 6.59,33.02 6.74,33.17 3.74,33.17 3.08,32.51 2.06,32.51 1.01,31.45 v1(1.01,30.69) ; v1(4.27,66.93) 4.8,67.45 C18.1 ; C18#3.1 29.07,27.62 v1(29.59,28.15) ; C18#3.1 C1#2.2 ; C18#3.1 29.04,27.2 ; C22#2.2 42.72,30.63 U2#2.2 ; C22#2.2 v1(43.49,30.78) ; C22#2.2 43.69,31.6 C8.2 ; C22#2.2 43.59,31.4 43.88,31.69 J5.MP2 45.94,31.66 C21#3.2 46.87,28.38 47.79,28.38 48.8,27.37 48.8,26.7 49.05,26.45 U1#2.5 50.38,26.45 51.41,27.48 v1(51.64,27.48) 50.99,28.13 C2#3.2 50.74,28.63 J5.18 ; v1(60.59,27.93) 60.35,27.69 58.46,27.69 C6#3.2 ; v1(20.27,90.3) 20.27,89.83 ; J26.2 2.45,68.73 4.05,68.73 C1#3.2 ; v1(30.47,6.57) 28.74,6.57 v1(28.74,7.47) ; IC2#3.25 67.74,11.88 v1(68.07,11.55) 68.15,11.55 68.49,11.22 IC2#3.23 ; C7#3.1 55.24,29.45 J5.9 ; J5#2.MP1 24.65,31.81 25.89,30.56 25.89,29.32 C4#3.2 ; C22.2 27.17,63.55 26.89,63.27 J5#3.MP2 24.82,63.29 C21.2 23.9,66.58 22.97,66.58 21.96,67.59 21.96,68.26 21.72,68.51 U1.5 20.39,68.51 19.36,67.48 v1(19.12,67.48) 19.77,66.83 C2#2.2 20.02,66.33 J5#3.18 ; C22.2 28.05,64.33 U2#3.2 ; C22.2 v1(27.27,64.18) ; C22.2 27.07,63.35 C8#2.2 ; J5.MP1 61.54,31.69 62.79,30.44 62.79,29.2 C4#2.2 ; IC2.25 30.84,12 v1(31.18,11.67) 31.26,11.67 31.59,11.34 IC2.23 ; J26#2.2 31.42,26.35 29.82,26.35 C1#2.2 ; v1(50.49,4.65) 50.49,5.13 ; AC1.12 66.27,25.18 C1.2 ; v1(31.16,78.25) 31.48,78.57 J2.1 ; C25#3.2 v1(26.97,7.75) 27.59,8.36 BT1#2.2 ; C25#3.2 27.51,6.43 v1(27.51,6.16) 26.95,6.16 v1(26.94,6.15) ; C25#3.2 26.03,7.91 R15#2.1 27.54,9.1 BT1#2.2 ; C25#3.2 26.94,6.95 v1(26.94,6.15) ; C25#3.2 26.34,6.35 v1(26.34,6.18) 26.37,6.15 v1(26.94,6.15) ; AC1#3.12 29.37,25.3 C1#2.2 ; 64.84,40.43 62.79,40.43 v1(61.94,39.58) ; C1#3.2 C18.1 ; v1(32.86,64.39) 32.86,63.63 31.8,62.57 30.79,62.57 30.12,61.9 27.12,61.9 27.27,62.05 ; C18.1 4.82,67.88 ; U3.49_9 v1(60.67,13.9) ; U3#3.52 v1(19.27,84.73) ; C29#3.1 v1(1.45,77.68) ; J2#2.1 2.38,16.5 v1(2.71,16.83) ; C19#3.2 C20#3.2 15.88,5.81 15.88,4.65 ; U3#2.52 v1(14.59,10.35) ; v1(8.65,23.44) 8.79,23.44 R5.2 9.14,23.79 R4.2 ; AC1#2.5 3,73.77 1.45,75.32 1.45,75.48 0.78,74.81 JP4#3.2 ; C29.1 v1(69.32,17.28) ; J5#2.18 13.84,28.75 C2.2 14.09,28.25 v1(14.74,27.6) 14.51,27.6 13.48,26.57 U1#3.5 12.15,26.57 11.9,26.82 11.9,27.49 10.89,28.5 9.97,28.5 C21#2.2 9.04,31.78 J5#2.MP2 6.98,31.81 6.69,31.52 C22#3.2 ; v1(5.12,87.6) 5.12,88.5 v1(3.4,88.5) ; JP4#2.2 69.98,20.14 69.32,19.48 69.32,19.63 67.77,21.18 AC1.5 ; C26.1 12.12,88.33 IC3.2 9.91,88.33 v1(9.9,88.32) ; C6#2.2 12.31,67.27 10.41,67.27 v1(10.17,67.03) ; R9#2.1 63.08,37.25 v1(63.74,37.25) ; C18#2.1 65.94,27.08 ; C18#2.1 C1.2 ; C18#2.1 65.97,27.5 v1(66.49,28.03) ; v1(7.02,57.7) 7.69,57.7 R9.1 ; C22#3.2 5.82,30.75 U2.2 ; C22#3.2 v1(6.59,30.9) ; C22#3.2 6.79,31.72 C8#3.2 ; C1.2 66.72,26.23 68.31,26.23 J26#3.2 ; C29#2.1 v1(32.42,17.4) ; v1(65.64,7.35) 65.64,6.45 v1(67.37,6.45) ; v1(45.55,23.32) 45.69,23.32 R5#3.2 46.04,23.67 R4#3.2 ; C26#3.1 58.64,6.63 IC3#2.2 60.85,6.63 v1(60.86,6.64) ; C19#2.2 C20#2.2 52.78,5.69 52.78,4.53 ; 27.94,40.55 25.89,40.55 v1(25.04,39.7) ; C4.2 7.97,65.75 7.97,64.52 9.22,63.27 J5#3.MP1 ; JP4.2 33.08,20.26 32.42,19.6 32.42,19.75 30.87,21.3 AC1#3.5 ; 29.08,25.6 29.63,25.05 29.91,25.05 30.38,24.57 30.38,24.15 ; v1(26.84,37.37) 26.18,37.37 R9#3.1 ; C26#2.1 21.74,6.75 IC3#3.2 23.95,6.75 v1(23.96,6.76) ; BT1#3.2 63.89,9.52 U3.51 ; v1(13.59,4.77) 13.59,5.25 ; C7#2.1 18.34,29.57 J5#2.9 ; 65.98,25.48 66.53,24.93 66.8,24.93 67.28,24.45 67.28,24.03 ; U3#2.49_9 v1(23.77,14.02) ; U3.52 v1(51.49,10.23)
  In1.Cu w0.25: v1(26.34,21) 24.23,21 23.39,20.16 22.53,20.16 22.36,19.98 22.36,15.43 v1(23.77,14.02) ; v1(63.24,20.88) 61.13,20.88 60.29,20.04 59.42,20.04 59.25,19.86 59.25,15.31 v1(60.67,13.9) ; v1(7.52,74.08) 9.63,74.08 10.47,74.92 11.34,74.92 11.51,75.09 11.51,79.64 v1(10.1,81.05)
  In2.Cu w0.25: v1(4.27,66.93) 4.27,70.33 3.11,71.49 3.11,73.8 1.45,75.46 v1(1.45,77.68) 2.36,77.68 5.96,74.08 v1(7.52,74.08) ; v1(50.49,4.65) 50.49,4.92 52.89,7.33 65.62,7.33 v1(65.64,7.35) ; v1(43.49,30.78) 43.47,30.8 38.14,30.8 v1(37.9,30.57) ; v1(1.01,30.69) 1.24,30.92 6.57,30.92 v1(6.59,30.9) ; v1(26.34,21) 27.91,21 31.51,17.4 v1(32.42,17.4) 32.42,19.61 30.75,21.28 30.75,23.59 29.59,24.75 v1(29.59,28.15) ; v1(13.59,4.77) 13.59,5.04 16,7.45 28.72,7.45 v1(28.74,7.47) ; v1(20.27,90.3) 20.27,90.03 17.87,87.63 5.15,87.63 v1(5.12,87.6) ; v1(32.86,64.39) 32.63,64.15 27.3,64.15 v1(27.27,64.18) ; v1(66.49,28.03) 66.49,24.63 67.65,23.47 67.65,21.16 69.32,19.49 v1(69.32,17.28) 68.4,17.28 64.8,20.88 v1(63.24,20.88)
  Bottom w0.25: v1(68.07,11.55) 68.07,10.93 69.07,9.93 69.07,8.16 v1(67.37,6.45) ; v1(60.86,6.02) 60.87,6.03 v1(63.84,6.03) 63.87,6.05 v1(63.87,7.63) ; v1(23.63,12.16) 23.77,12.29 v1(23.77,14.02) ; v1(31.18,11.67) 31.18,11.05 32.17,10.05 32.17,8.28 v1(30.47,6.57) ; J26#2.2 38.14,24.92 v1(38.38,24.68) ; v1(26.97,7.75) 26.97,6.17 v1(26.94,6.15) 23.97,6.15 v1(23.96,6.14) ; v1(60.53,12.04) 60.67,12.17 v1(60.67,13.9) ; v1(6.9,87.33) 6.9,88.9 v1(6.92,88.93) 9.89,88.93 v1(9.9,88.94) ; v1(8.25,40.54) 7.47,41.32 2.81,41.32 2.41,41.72 2.41,44.02 3.51,45.12 14.81,45.12 20.01,50.32 30.41,50.32 31.51,51.42 31.51,53.42 31.21,53.72 30.21,53.72 29.39,54.53 v1(25.62,54.53) ; v1(10.1,81.05) 10.1,82.78 v1(10.23,82.92) ; v1(3.4,88.5) 1.69,86.8 1.69,85.03 2.69,84.03 v1(2.69,83.4)
  vias: v1(1.48,25.8) v1(1.48,24.8) v1(1.48,23.8) v1(1.48,22.8) v1(1.48,21.8) v1(1.48,20.8) v1(2.48,25.8) v1(2.48,24.8) v1(2.48,23.8) v1(2.48,22.8) v1(2.48,21.8) v1(3.48,25.8) v1(3.48,24.8) v1(3.48,23.8) v1(3.48,22.8) v1(4.02,63.93) v1(4.02,63.18) v1(4.02,62.58) v1(4.02,61.93) v1(6.87,19) v1(7.57,27.27) v1(7.79,63.83) v1(7.79,62.83) v1(7.79,61.83) v1(7.79,60.83) v1(7.79,59.83) v1(7.82,36.05) v1(8.25,39.6) v1(8.25,38.6) v1(8.82,36.05) v1(9.25,40.54) v1(9.25,39.6) v1(9.25,38.6) v1(9.77,61.28) v1(9.77,56.28) v1(9.77,55.28) v1(9.82,36.05) v1(9.9,89.54) v1(10.02,59.5) v1(10.25,40.54) v1(10.25,39.6) v1(10.25,38.6) v1(10.77,56.28) v1(10.77,55.28) v1(10.82,36.05) v1(11.02,60.5) v1(11.02,59.5) v1(11.25,40.54) v1(11.25,39.6) v1(11.25,38.6) v1(12.02,60.5) v1(12.02,59.5) v1(12.22,40.54) v1(12.25,39.6) v1(12.22,38.6) v1(12.17,36.82) v1(12.74,56.58) v1(12.74,55.58) v1(12.74,54.6) v1(13.17,36.82) v1(14.19,5.05) v1(14.74,5.05) v1(15.02,60.43) v1(15.29,5.1) v1(16.02,60.43) v1(16.22,82.75) v1(16.84,34.65) v1(17.02,60.43) v1(17.64,12.32) v1(17.84,34.65) v1(18.57,89.98) v1(18.84,34.65) v1(19.12,90.03) v1(19.67,90.03) v1(20.7,58.25) v1(21.13,40.47) v1(21.13,39.5) v1(21.13,38.5) v1(21.65,56.47) v1(21.62,55.47) v1(21.65,54.53) v1(21.7,58.25) v1(21.84,35.57) v1(21.84,34.57) v1(22.62,56.47) v1(22.62,55.47) v1(22.62,54.53) v1(22.84,35.57) v1(22.84,34.57) v1(23.05,59.03) v1(23.09,39.8) v1(23.09,38.8) v1(23.62,56.47) v1(23.62,55.47) v1(23.62,54.53) v1(23.84,35.57) v1(24.05,59.03) v1(23.96,5.54) v1(24.09,39.8) v1(24.09,38.8) v1(24.09,33.8) v1(24.62,56.47) v1(24.62,55.47) v1(24.62,54.53) v1(25.05,59.03) v1(25.62,56.47) v1(25.62,55.47) v1(26.05,59.03) v1(26.07,35.25) v1(26.07,34.25) v1(26.07,33.25) v1(26.07,32.25) v1(26.07,31.25) v1(26.3,67.8) v1(27,76.08) v1(29.84,33.15) v1(29.84,32.5) v1(29.84,31.9) v1(29.84,31.15) v1(30.38,72.28) v1(30.38,71.28) v1(30.38,70.28) v1(30.38,69.28) v1(31.38,73.28) v1(31.38,72.28) v1(31.38,71.28) v1(31.38,70.28) v1(31.38,69.28) v1(32.38,74.28) v1(32.38,73.28) v1(32.38,72.28) v1(32.38,71.28) v1(32.38,70.28) v1(32.38,69.28) v1(38.38,25.68) v1(38.38,23.68) v1(38.38,22.68) v1(38.38,21.68) v1(38.38,20.68) v1(39.38,25.68) v1(39.38,24.68) v1(39.38,23.68) v1(39.38,22.68) v1(39.38,21.68) v1(40.38,25.68) v1(40.38,24.68) v1(40.38,23.68) v1(40.38,22.68) v1(43.77,18.88) v1(44.47,27.15) v1(44.72,35.93) v1(45.14,40.42) v1(45.14,39.48) v1(45.14,38.48) v1(45.72,35.93) v1(46.14,40.42) v1(46.14,39.48) v1(46.14,38.48) v1(46.72,35.93) v1(47.14,40.42) v1(47.14,39.48) v1(47.14,38.48) v1(47.72,35.93) v1(48.14,40.42) v1(48.14,39.48) v1(48.14,38.48) v1(49.12,40.42) v1(49.14,39.48) v1(49.12,38.48) v1(49.07,36.7) v1(50.07,36.7) v1(51.09,4.93) v1(51.64,4.93) v1(52.19,4.98) v1(53.74,34.53) v1(54.54,12.2) v1(54.74,34.53) v1(55.74,34.53) v1(58.03,40.35) v1(58.03,39.38) v1(58.03,38.38) v1(58.74,35.45) v1(58.74,34.45) v1(59.74,35.45) v1(59.74,34.45) v1(59.99,39.68) v1(59.99,38.68) v1(60.74,35.45) v1(60.86,5.42) v1(60.99,39.68) v1(60.99,38.68) v1(60.99,33.68) v1(62.97,35.13) v1(62.97,34.13) v1(62.97,33.13) v1(62.97,32.13) v1(62.97,31.13) v1(66.74,33.03) v1(66.74,32.38) v1(66.74,31.78) v1(66.74,31.03)
VBUS: length 209.8
  Top w0.4: Q4#3.1 11.06,23.41 12,24.36 R14.1 11.88,24.87 11.88,26.07 11.38,26.57 U1#3.2 ; Q4#3.1 10.97,23.13 v1(10.97,22.5) ; Q4#3.1 10.69,23.21 8.19,20.71 8.19,19.11 D4.2 ; 10.75,26.57 9.2,26.57 9.19,26.56 9.18,26.57 ; v1(19.89,86.88) 20.31,86.88 J8#2.1 ; 9.18,26.57 7.91,25.3 J4#3.A4 5.9,25.3 4.79,24.19 4.79,21.4 5.69,20.5 J4#3.A9 ; 9.18,26.57 9.04,26.7 C21#2.1 ; U1.2 22.49,68.51 21.98,69.01 21.98,70.21 R14#3.1 21.86,70.72 22.81,71.67 Q4#2.1 ; C25#2.1 8.12,90 8.82,89.3 v1(8.82,88.23) 8.82,89.25 IC3.4 ; 24.69,68.51 24.82,68.37 C21.1 ; 24.69,68.51 25.96,69.78 J4.A4 27.97,69.78 29.07,70.89 29.07,73.68 28.17,74.58 J4.A9 ; 24.69,68.51 24.68,68.52 24.67,68.51 23.12,68.51 ; C25#3.1 25.74,5.07 25.04,5.77 v1(25.04,6.85) 25.04,5.82 IC3#3.4 ; v1(47.87,22.38) 47.87,23.01 Q4.1 ; 47.64,26.45 46.1,26.45 46.09,26.44 46.07,26.45 ; C25.1 62.64,4.95 61.94,5.65 v1(61.94,6.73) 61.94,5.7 IC3#2.4 ; v1(13.98,8.2) 13.56,8.2 J8#3.1 ; 46.07,26.45 44.8,25.18 J4#2.A4 42.8,25.18 41.69,24.07 41.69,21.28 42.59,20.38 J4#2.A9 ; 46.07,26.45 45.94,26.58 C21#3.1 ; Q4#2.1 23.17,71.87 25.67,74.37 25.67,75.97 D4#3.2 ; Q4#2.1 22.9,71.94 v1(22.9,72.58) ; D4#2.2 45.09,18.99 45.09,20.59 47.59,23.09 Q4.1 ; Q4.1 47.95,23.29 48.9,24.24 R14#2.1 48.78,24.75 48.78,25.95 48.28,26.45 U1#2.2 ; J8.1 50.45,8.08 v1(50.88,8.08)
  Bottom w0.4: 61.93,7.34 61.94,7.35 ; 61.94,7.35 61.94,7.78 ; 61.94,7.35 v1(61.94,6.73) ; 25.04,7.9 24.84,7.7 14.48,7.7 v1(13.98,8.2) ; 25.04,7.9 25.04,7.47 ; 25.04,7.9 26.15,9 26.15,14.87 23.72,17.3 17.03,17.3 16.26,18.07 16.26,18.07 13.69,20.64 11.87,20.64 10.97,21.54 v1(10.97,22.5) ; 8.82,87.18 9.02,87.38 19.39,87.38 v1(19.89,86.88) ; 8.82,87.18 7.72,86.07 7.72,80.21 10.14,77.78 16.83,77.78 17.61,77 17.61,77 20.18,74.43 22,74.43 22.9,73.54 v1(22.9,72.58) ; 8.82,87.18 8.82,87.6 ; 25.04,7.47 25.03,7.46 ; 25.04,7.47 v1(25.04,6.85) ; v1(50.88,8.08) 51.38,7.58 61.74,7.58 61.94,7.78 ; v1(8.82,88.23) 8.82,87.6 ; 8.82,87.6 8.84,87.62 ; 61.94,7.78 63.05,8.88 63.05,14.75 60.62,17.18 53.93,17.18 53.16,17.95 53.16,17.95 50.58,20.52 48.76,20.52 47.87,21.42 v1(47.87,22.38)
